# Altium PCB PCB.PcbDoc (part 2 of 3)
Units mm, origin at the board's own origin, x right, y up, seen from the top; angles counter-clockwise.
Board outline 85 x 56 mm, 4 copper layers (L01_SIG/PWR, L02_GND, L03_SIG, L04_SIG/PWR), stack 1.586 mm thick; 279 components, 197 nets, 982 pads, 787 vias.
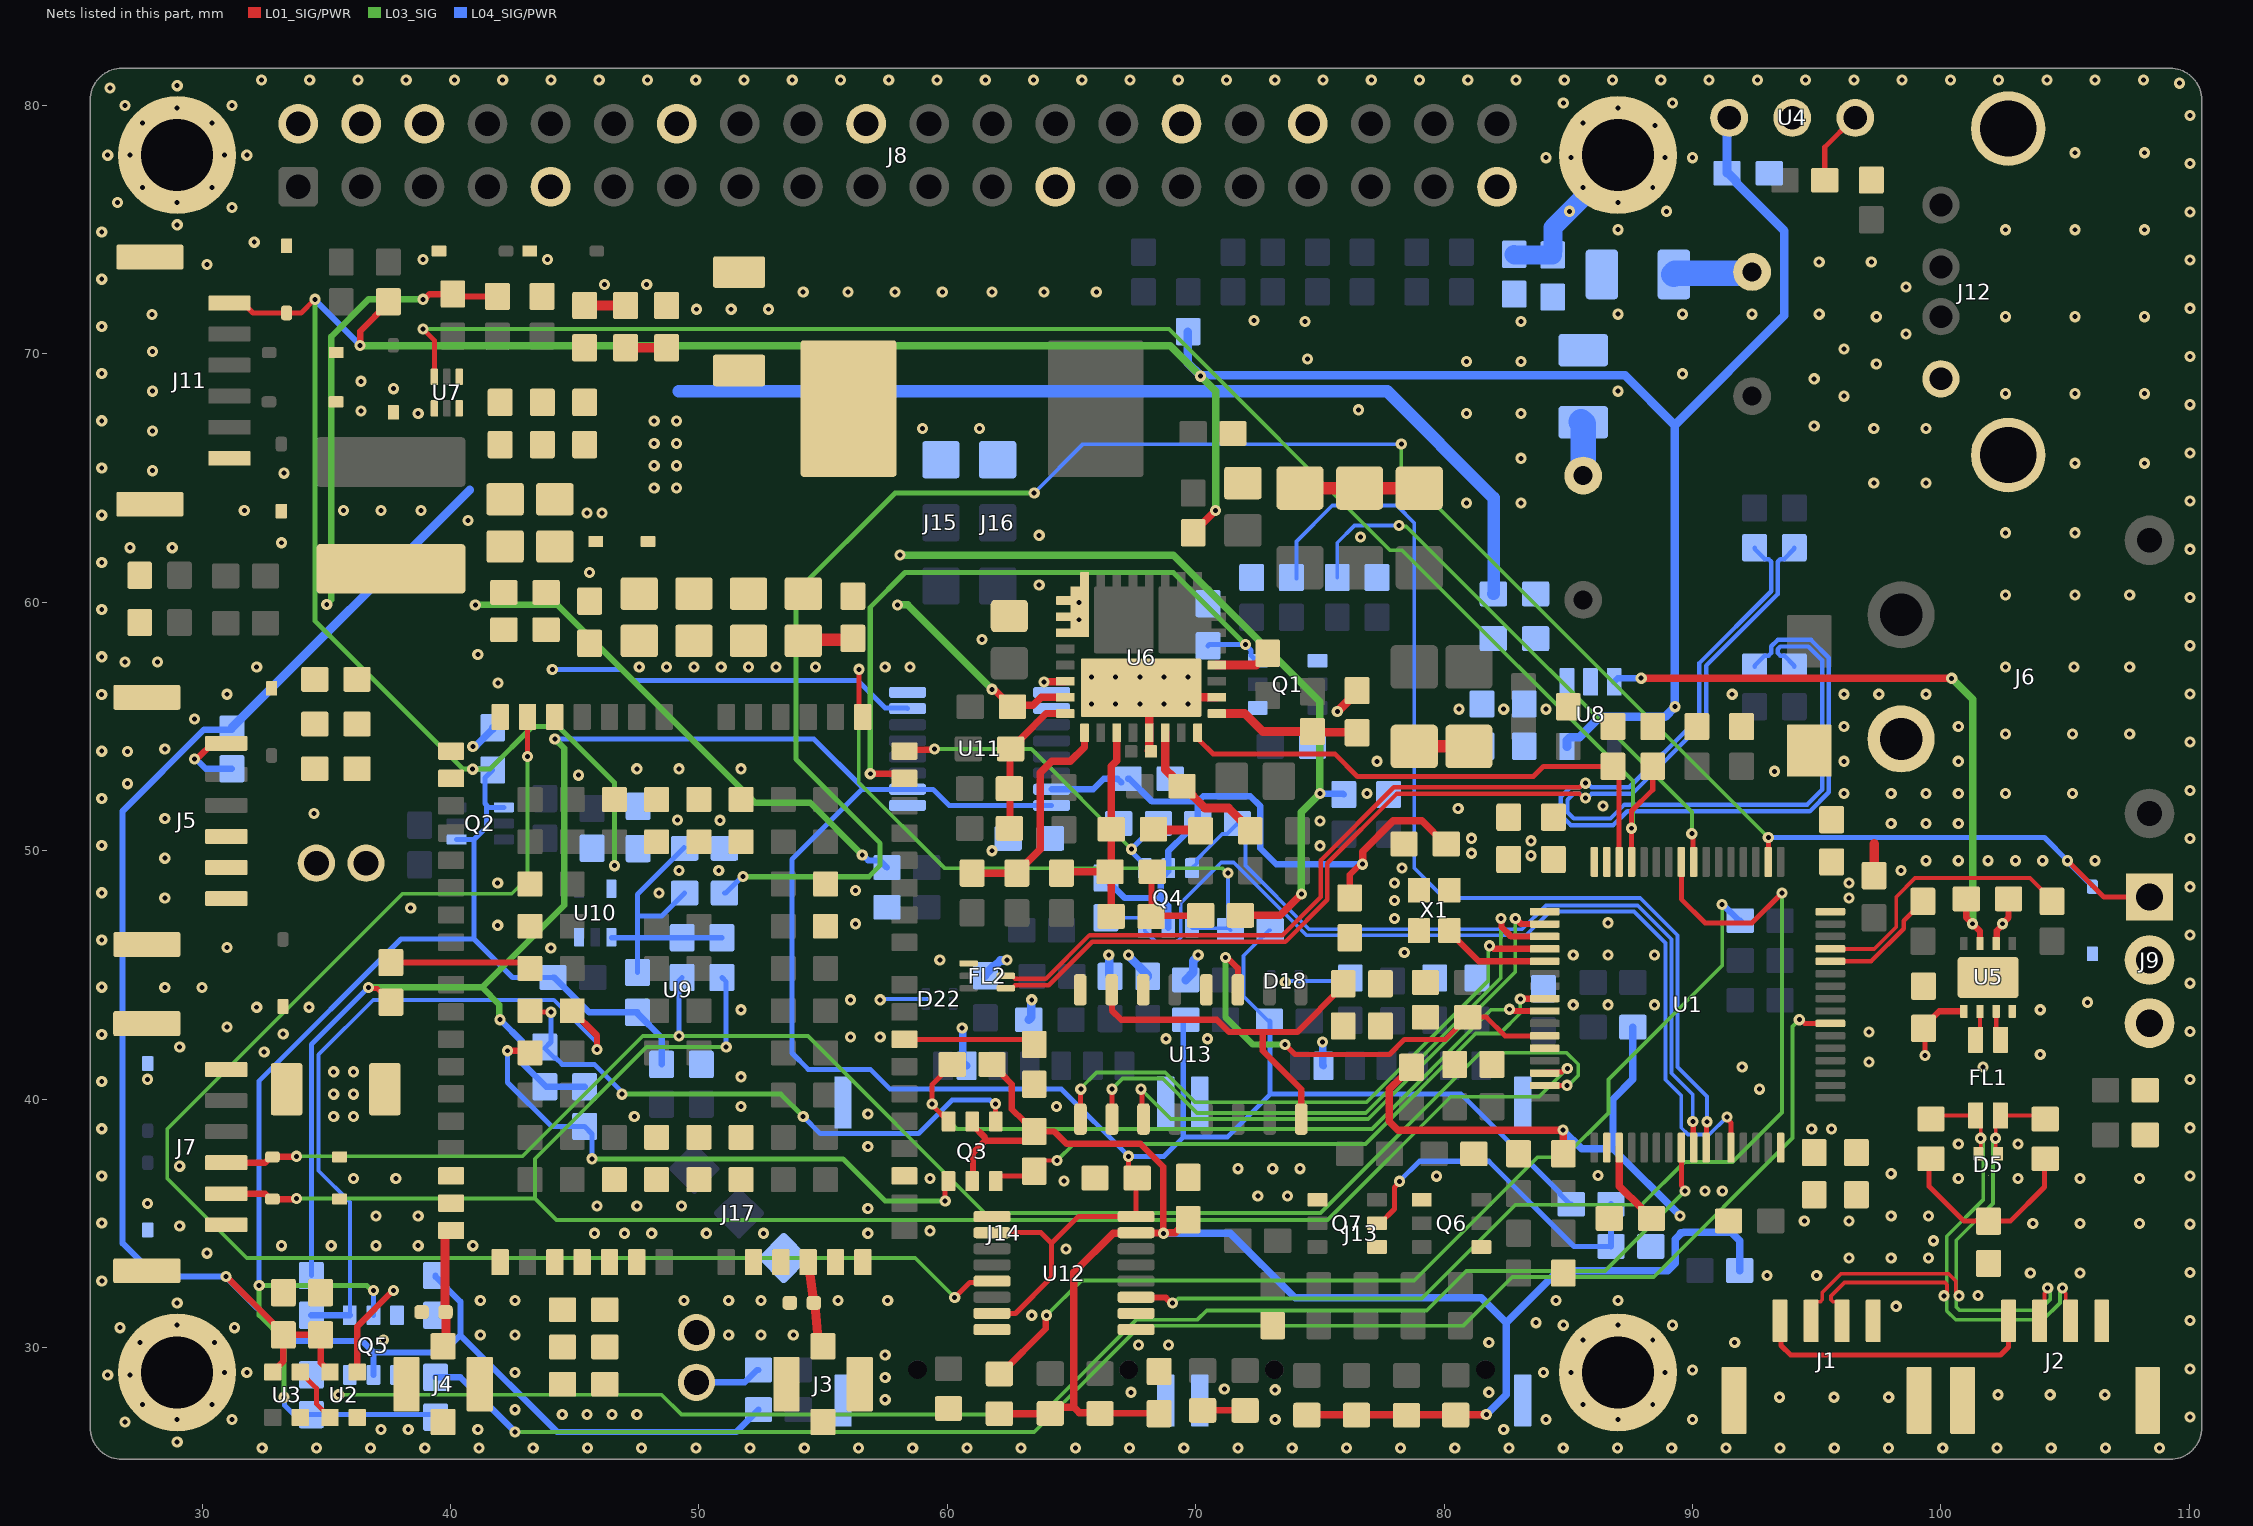
[diagram p4: the nets of this part, all layers, seen from the top]

## Part data
C1 C2: library part CMP-00018-8, "CAP CER 0.1uF 50V X7R 0603", Capacitance=100nF, Dielectric=X7R, Package=0603, Voltage=50V
C3 C4: library part CMP-001-00078-1, "CAP CER 2.2UF 25V X5R 0603", Capacitor Type=Ceramic, Case/Package=0603, Max Operating Temperature=85°C, Min Operating Temperature=-55°C, Package Shape=Rectangular, Package Style=SMTMeter, Rated DC Voltage (URdc)=25V, Temperature Characteristics Code=X5R, Tolerance  (fill in as +-)=10%, Dielectric Material=Ceramic, Height=0.8mm, JESD-609 Code=e3, Length=1.6mm, Mounting Technology="Surface Mount", Multilayer=Yes, Packaging="Tape and Reel", Pins=2, Reach SVHC Compliant=Yes, RoHS Compliant=Yes, Terminal Finish=Nickel, Termination=Wraparound, Tolerance (fill in as +-)=10%, Width=0.8mm
C5 C6 C8 C10 C12 C29 C47 C60 C64 C68 C70 C74 C79 C80 C81 C82 C83 C84 C86: library part CMP-001-00017-6, "CAP CER 0.1UF 16V X7R 0603", Capacitance=0.1uF, Package=0603, Temperature Coefficient=X7R, Voltage=16V
C7 C38 C42 C66 C67: library part CMP-00217-1, "CAP CER 10nF 25V X7R 0603", Capacitance=10nF, Package=0603, Temperature Coefficient=X7R, Voltage Rating=25V
C9 C11 C13 C30 C45 C46 C69 C85: library part CMP-001-00007-7, "CAP CER 1uF 16V X7R 0603", Capacitance=1uF, Package=0603, Temperature Coefficient=X7R, Voltage=16V
C14 C35 C48 C53: library part CMP-00049-2, "CAP CER 4.7uF 16V X7S 0603", Capacitance=4.7uF, Dielectric=X7S, Package=0603, Voltage=16V
C15 C16 C18 C78: library part CMP-001-00003-9, "CAP CER 100nF 16V X7R 0603", Capacitance=100nF, Package=0603, Temperature Coefficient=X7R, Voltage=16V
C17: library part CMP-00057-2, "CAP CER 0.1UF 25V X7R 0603", Capacitance=100nF, Case/Package=0603, Dielectric=X7R, Tolerance=10%, Voltage Rating=25V
C19: library part CMP-001-00080-1, "CAP CER 4700PF 50V X7R 0603", Capacitor Type=Ceramic, Case/Package=0603, Max Operating Temperature=125°C, Min Operating Temperature=-55°C, Package Shape=Rectangular, Package Style=SMTMeter, Rated DC Voltage (URdc)=50V, Temperature Characteristics Code=X7R, Tolerance  (fill in as +-)=10%, Dielectric Material=Ceramic, Height=0.9mm, JESD-609 Code=e3, Length=1.6mm, Mounting Technology="Surface Mount", Multilayer=Yes, Packaging="Tape and Reel", Pins=2, Reach SVHC Compliant=Yes, Reference Standard=AEC-Q200, RoHS Compliant=Yes, Terminal Finish=Nickel, Termination=Wraparound, Tolerance (fill in as +-)=10%, Width=0.8mm
C20 C21 C22 C23 C24: library part CMP-015-000000-6, "CAP CER 2.2UF 100V X7R 1206", Capacitance=2.2uF, Package=1206, Temperature Coefficient=X7R, Voltage=100V
C25 C26: library part CMP-00350-5, "CAP ALUM 100UF 20% 80V RADIAL TH", Capacitance=100uF, Package="Through Hole", Voltage=80V
C27 C36: library part CMP-00124-3, "CAP CER 1UF 100V X7S 0805", Package=0805, Temperature Coefficient=X7S, Tolerance=10%, Voltage=100V
C28 C37: library part CMP-00249-4, "CAP CER 0.1UF 100V X7R 0603", Package=0603, Temperature Coefficient=X7R, Voltage=100V
C31 C32 C33 C34: library part CMP-00241-5, "CAP CER 10UF 25V X7R 0805", Capacitance=10uF, Temperature Coefficient=X7R, Tolerance=10%, Voltage Rating=25V
C39: library part CMP-001-00022-4, "DNP 0603 Capacitor"
C40: library part CMP-001-00035-3, "CAP CER 4.7UF 50V X5R 0805", Manufacturer 1="Murata Electronics", Package=0805, Supplier Part Number 1=490-14663-1-ND, Temperature Coefficient=X5R, Tolerance=20%, Voltage Rating=50V, Manufacturer Part Number 1=GRM21BR61H475ME51L, Mounting Type="Surface Mount", Supplier 1=Digi-Key
C41 C44: library part CMP-00333-1, "CAP CER 2.2UF 16V X7R 0603", Capacitor=2.2uF, Package=0603, Temperature Coefficien=X7R, Voltage=16V
C43: library part CMP-00349-2, "CAP CER 0.22UF 16V X7R 0603", Capacitance=0.22uF, Package=0603, Temperature Coefficent=X7R, Voltage=16V
C49: library part CMP-00246-3, "CAP CER 22PF 50V C0G/NPO 0603", Package=0603, Temperature Coefficient=C0G,NP0, Tolerance=5%, Voltage=50V
C50 C51: library part CMP-001-00016-5, "CAP CER 10UF 16V X5R 0805", Capacitance=10uF, Package=0805, Temperature Coefficient=X5R, Voltage=16V
C52: library part CMP-001-00002-10, "CAP CER 4.7uF 25V X6S 0603", Capacitance=4.7uF, Dielectric=X6S, Package=0603, Voltage=25V
C54 C55 C56: library part CMP-00240-2, "CAP CER 1UF 25V X7R 0603", Capacitance=1uF, Temperature Coefficient=X7R, Tolerance=10%, Voltage Rating=25V, Mounting Technology="Surface Mount"
C57: library part CMP-00367-1, "CAP CER 1000PF 100V C0G/NP0 0603", Capacitor Type=Ceramic, Case/Package=0603, Max Operating Temperature=125°C, Min Operating Temperature=-55°C, Rated DC Voltage (URdc)=100V, Temperature Characteristics Code=C0G
C58 C62: library part CMP-00359-2, "CAP CER 10PF 100V C0G/NP0 0603", Capacitance=10pF, Package=0603, Temperature Coefficient=C0G, Voltage=100V
C59 C63 C71 C72 C73 C75 C76 C77: library part CMP-00358-2, "CAP CER 33PF 50V C0G/NP0 0603", Capacitance=33pF, Package=0603, Temperature Coefficient=C0G, Voltage=50V
C61 C65: library part CMP-00374-4, "CAP ALUM 100UF 20% 10V RADIAL TH", Capacitance=100uF, Dielectric Material=Aluminium, Max Operating Temperature=105°C, Voltage=10V, Mounting Technology=TH, Polarity=Polarized
D1 D19: library part CMP-001-00018-6, "LED GREEN 2V 0603", Case/Package=0603, Color=Green, Forward Current=20mA, Forward Voltage=2V
D2 D20 D30: library part CMP-00017-4, "LED BLUE CLEAR 0603 SMD", Color=Blue, Forward Current=20mA, Forward Voltage=2.8V, Package=0603, Wavelength=473nm
D3 D21 D31: library part CMP-004-00004-5, "LED RED 2V 0603", Case/Package=0603, Color=Red, Forward Current=30mA, Forward Voltage=2V, Luminous Intensity=54mcd, Mount="Surface Mount"
D4 D6 D7 D8 D9 D10 D14 D23 D24 D25 D26 D27 D28 D29: library part CMP-00145-5, "TVS DIODE, 5V V(RWM), Bidirectional, 1 Element, Silicon", Max Breakdown Voltage=9.5V, Max Operating Temperature=150°C, Max Power Dissipation=250mW, Min Breakdown Voltage=5.5V, Min Operating Temperature=-65°C, Rep Pk Reverse Voltage-Max=5V, Diode Type="TRANS VOLTAGE SUPPRESSOR", Polarity=Bidirectional
D5: library part CMP-00239-5, "TVS DIODE 24VWM 43VC DFN1412D-3"
D11: library part CMP-00351-2, "TVS DIODE 54VWM 87.1VC DO214AC", Max Breakdown Voltage=66.3V, Max Power Dissipation=400W, Min Breakdown Voltage=60V, Rep Pk Reverse Voltage-Max=54V, Polarity=Bidirectional
D12: library part CMP-00397-2, "TVS DIODE 6VWM 10.3VC SMB", VRWM=6V
D13: library part CMP-00395-4, "DIODE SCHOTTKY 10V 3A SOD323", Forward Voltage=320mV, Max Output current=3A, Max Reverse Voltage=10V
D15: library part CMP-00373-4, "TVS DIODE 5VWM 9.2VC SMB", Breakdown Voltage-Nom=6.825V, Max Breakdown Voltage=7V, Max Power Dissipation=5W, Min Breakdown Voltage=6.4V, Rep Pk Reverse Voltage-Max=5V, Diode Type=TVS, Polarity=Bidirectional
D16 D17: library part CMP-00406-1, "TVS DIODE 40VC 0402", Junction Capacitance="0.04pF @ 250MHz", Voltage Clamping=40V, Channels=1, Polarity=Bidirectional
D18 D22: library part CMP-00472-1, "TVS DIODE 5VWM 19.5VC 6X2SON", Breakdown Voltage=7V, Clamp Voltage="13V @ 6A", Max Capacitance=12pF, Max Standoff Voltage=5V, Channels=5
D32 D33 D34 D35: library part CMP-00345-2, "LED WHITE 2.8V 0603", Color=White, Forward Voltage=2.8V, Max Current=5mA, Package=0603
F1: library part CMP-00473-2, "FUSE BOARD MNT 500MA 32VDC 0603", Current Rating=500mA, Package=0603, Response Time="Fast Blow", VDC=32V
FL1: library part CMP-00243-2, "CMC 50UH 115MA 2LN 2.3KOHM SMD"
FL2: library part CMP-00412-4, "CMC 2LN SMD ESD AEC-Q100", Clamping Voltage=17V, DC Channel Resistance="1.8 Ohms", Junction Capacitance=1.0pF, Differential Mode Attenuation="~ -0.5@240Mhz"
J1 J2: library part CMP-068-000000-6, "Conn Shrouded Header HDR 4 POS 1.25mm Solder RA SMD Reel", Entry Type=R/A, Pins=4, Series=JST-GH
J3 J4: library part CMP-00321-7, "CONN UMC JACK STR SMD", Max Frequency=6GHz, Voltage Rating=60V, Impedance=50Ω, Mounting Type="Surface Mount"
J5 J7 J11: library part CMP-00248-4, "CONN HEADER SMD R/A 6POS 1.25MM", Current Rating=1A, Voltage=50V, Entry Type=R/A, Pitch=1.25mm, Positions=6, Rows=1, Series=JST-GH
J6: library part CMP-00134-4, "Board Mount XT30PW-M 2 Pin Male Connector"
J8: library part CMP-00254-4, "CONN HDR 40POS 2.54mm VERT", Mount="Through Hole", Pins=40, Pitch=2.54mm, Rows=2, Type=Vertical
J9: library part CMP-00111-5, "CONN HEADER VERT 3POS 2.54MM", Connector Type="Male Pin", Mount="Through Hole", Pitch=100mil, Positions=3
J12: library part CMP-00061-7, "Usb Conn, 2.0 Type A, R/a Rcpt, 4Pos"
J13 J14: library part CMP-00378-5, "NANO SIM PUSH-PUSH 6P 1.44MM H G"
J15 J16 J17: library part CMP-00292-3, "Solder Pad 3 Pin, 2.54mm pitch", Mount=SMD, Pins=3, Pitch=2.54mm, Type="Solder Pads"
L1: library part CMP-00348-5, "FIXED IND 2.2uH 12.5A 4.02 mOHM", Current Rating=12.5A, DC Resistance (DCR)=4.02mR, Inductance=2.2uH, Tolerance=20%
L2: library part CMP-00394-3, "FIXED IND 1UH 4.2A 13.9 MOHM SMD", Case/Size Code=2424, DC Resistance (DCR)=13.9mR, Inductance-Nom (L)=1uH, Max Current Rating=4.2A, Max Operating Temperature=125°C, Min Operating Temperature=-40°C, Test Frequency=100kHz, Tolerance=30%
MH1 MH2 MH3 MH4: library part CMP-00308-1, "M2.5 Clearance Hole Normal Fit", Diameter Drill=2.9mm
NT1: library part CMP-001-0020-3, "Connect two different schematic nets at a single point on the PCBA. Intended to be used as a \"Generic No BOM\" component for ICs that desire seperated grounds connected at a single point."
Q1 Q3 Q4 Q5 Q6 Q7: library part CMP-00377-5, "MOSFET 2N-CH 20V 0.54A SOT26", Drain Current-Max (Abs) (ID)=540mA, Drain-source On Resistance-Max=550mR, DS Breakdown Voltage-Min=20V, Max Operating Temperature=150°C, Feedback Cap-Max (Crss)=20pF
Q2: library part CMP-00313-6, "MOSFET 2P-CH 30V 0.1A US6", Channels=2, Ids Max=100mA, Vds Max=30V
R1 R106: library part CMP-00341-1, "RES 4.7 OHM 1% 1/10W 0603", Power=100mW, Resistance=4.7, Tolerance=1%, Size=0603
R2 R3 R4: library part CMP-00370-2, "RES 470 OHM 1% 1/10W 0603", Package=0603, Power=1/10W, Resistance=470Ω, Tolerance=1%
R5 R18 R19 R20 R21 R22 R23 R24 R30 R43 R44 R45 R46 R62 R66 R67 R68 R69: library part CMP-00139-2, "RES 0 OHM JUMPER 1/10W 0603"
R6 R9 R12 R17 R34 R36 R41 R47 R51 R52 R55 R56 R61 R63 R64 R65 R74 R75 R76 R77 R88 R89 R90 R91 R92 R93 R94 R95 R113 R114 R115 R116 R117 R127 R128 R133 R134: library part CMP-009-00054-3, "RES 10K OHM 1% 1/10W 0603", Package=0603, Power=100mW, Resistance=10k, Tolerance=1%
R7 R10 R13 R14 R49 R50 R60 R70 R71 R126 R131 R132: library part CMP-009-00084-2, "RES 10 OHM 1% 1/10W 0603", Package=0603, Power=1/10W, Resistance=10, Tolerance=1%
R8 R48: library part CMP-00344-1, "RES 4.7K OHM 1% 1/10W 0603", Package=0603, Power=1/10W, Resistance=4.7k, Tolerance=1%
R11 R120: library part CMP-009-00018-3, "DNP 0603 Resistor"
R15 R16: library part CMP-00245-1, "RES 60.4 OHM 1% 1/10W 0603", Power=100mW, Tolerance=1%
R25 R35: library part CMP-00122-1, "RES 2.2 OHM 1% 1/10W 0603", Case/Package=0603, Power Rating=100mW, Tolerance=1%, Voltage Rating=50V
R26 R27: library part CMP-00316-1, "RES 0 OHM JUMPER 1/4W 1206", Package=1206, Power=1/4W, Resistance=0, Tolerance=?
R28: library part CMP-00276-1, "RES 2K OHM 1% 1/10W 0603", Case/Package=0603, Power=100mW, Temperature Coefficient=100ppm/°C, Tolerance=1%
R29 R31: library part CMP-00030-2, "RES 12K OHM 1% 1/10W 0603", Package=0603, Power=100mW, Resistance=12k, Tolerance=1%
R32: library part CMP-00401-1, "RES 1.6K OHM 1% 1/10W 0603", Package=0603, Power=100mW, Resistance=1.6k, Tolerance=1%
R33: library part CMP-00402-1, "RES 120K OHM 1% 1/10W 0603", Package=0603, Power=100mW, Resistance=120k, Tolerance=1%
R37: library part CMP-00403-1, "RES 22K OHM 1% 1/10W 0603", Package=0603, Power=100mW, Resistance=22k, Tolerance=1%
R38 R39 R112 R118: library part CMP-009-00055-3, "RES 100K OHM 1% 1/10W 0603", Rated Power Dissipation (P)=1/10W, Resistance=100k, Tolerance=1%
R40: library part CMP-009-00048-1, "RES 18K OHM 1% 1/10W 0603", Package=0603, Power Rating=1/10W, Tolerance=1%, Voltage Rating=75V
R42: library part CMP-00366-1, "RES 1M OHM 1% 1/10W 0603", Case/Package=0603, Power=100mW, Rated Temperature=70°C, Tolerance=1%, Working Voltage=75V
R53: library part CMP-00372-1, "RES 51K OHM 1% 1/10W 0603", Package=0603, Power=1/10W, Resistance=51k, Tolerance=1%
R54: library part CMP-00267-1, "RES 15K OHM 1% 1/10W 0603", Case/Package=0603, Power=100mW, Temperature Coefficient=100ppm/°C, Tolerance=1%
R58 R59 R123 R124 R125 R129 R130: library part CMP-009-00072-2, "RES 1.5K OHM 1% 1/10W 0603", Package=0603, Power=1/10W, Resistance=1.5k, Tolerance=1%
R72 R73: library part CMP-00317-1, "RES 220 OHM 1% 1/10W 0603", Package=0603, Power=1/10W, Resistance=220, Tolerance=1%
R107 R108 R109: library part CMP-00262-2, "THERMISTOR NTC 10KOHM 3380K 0603", Case/Package=0603, Max Operating Temperature=125°C, Min Operating Temperature=-40°C, Resistor Type="NTC THERMISTOR", Tolerance=1%
R110 R111: library part CMP-00339-1, "RES 220K OHM 1% 1/10W 0603", Package=0603, Power=100mW, Resistance=220K, Tolerance=1%
R119: library part CMP-00340-2, "RES 82K OHM 1% 1/10W 0603", Package=0603, Power=100mW, Resistance=82K, Tolerance=1%
U1: library part CMP-00322-8, "IC MCU 32BIT 1MB FLASH 64LQFP", Package=LQFP64, Dimensions=10mmx10mm
U2 U3: library part CMP-00294-4, "LED Neopixel 2mm from LCSC", Max Input Voltage="5.3 V Max"
U4: library part CMP-00335-1, "SENSOR REMOTE REC 38.0KHZ 2M"
U5: library part CMP-00219-3, "IC TRANSCEIVER HALF 1/1 8HVSON"
U6: library part CMP-00332-6, "IC REG BUCK ADJ 8A 70V 32VQFN", Absolute Maximum Input Voltage=71V, Dimensions=6mmx6mm
U7: library part CMP-00336-3, "IC REG BUCK ADJ 3A SOT5X3", Frequency=1.5MHz, Max Input Voltage=5.5V, Max Output current="3 A"
U8: library part CMP-00225-6, "IC REG LINEAR 3.3V 500MA SOT23-5", Current=500mA, Output Voltage="3.3 V"
U9: library part CMP-00471-3, "RF TXRX MODULE LTE", Supply Voltage="3.3V ~ 4.3V", Interfaces="ADC, GPIO, I2C, PCM, SPI, UART, USB", Protocol="LTE Cat 1"
U10: library part CMP-00315-2, "IC BUFF NON-INVERT 5.5V 5TSSOP"
U11 U12: library part CMP-00375-4, "IC TRANSLATOR BIDIR 16TSSOP", RoHS Compliant=Yes
U13: library part CMP-00407-3, "IC MUX 8:1 120OHM 16SO", Supply Voltage="2V ~ 10V", Multiplexer=8:1
X1: library part CMP-00242-3, "OSC XO 8.000MHZ CMOS SMD", Frequence Stability=25ppm, Frequency=8MHz

## Via types
v1: diameter 0.45, hole 0.2, L01_SIG/PWR to L04_SIG/PWR, tented both sides, 787 vias

## Nets (pads, with @x,y where several pads share a name; then routed paths per layer and width w, separated by ;. In a path a pad name is that pad's centre, name@x,y a point inside that pad or via, vN(x,y) a via of type N, cw(c..) or ccw(c..) an arc to the next point about the centre after c; other vN are vias at no path point)
1V8_PWR_LED: Q7.5 R132.1 R134.2 | length 14.1
  L01_SIG/PWR w0.203: Q7.5@77.3,35 77.425,35 78,35.575 78,36.45 78.2,36.65 v1(78.2,36.692)
  L04_SIG/PWR w0.203: v1(78.2,36.692) 79.008,37.5 81.8,37.5 85.229,34.071 R134.2@86.719,34.071
  L04_SIG/PWR w0.254: R134.2@86.719,34.071 R132.1@86.719,35.771
5V_FUSED: F1.2 J5.1 | length 3.2
  L01_SIG/PWR w0.254: v1(29.7,53.7) 29.738,53.738 29.837,53.738 30.425,54.325 J5.1@30.975,54.325
  L04_SIG/PWR w0.254: v1(29.7,53.7) 29.753,53.7 30.153,53.3 F1.2@31.2,53.3
+1V8: C68.2 C69.2 C80.2 C82.2 R48.2 R53.2 R74.2 R77.2 R88.2 R91.2 R92.2 R113.2 R132.2 U9.29 U11.2 U11.7 U11.16 U12.2 U12.7 U12.16 | length 146
  L01_SIG/PWR w0.203: v1(36.7,44.5) 36.739,44.461 37.039,44.461 37.152,44.348 37.202,44.348 37.6,43.95 R48.2@37.6,43.9 ; U12.7@61.8,31.375 62.745,31.375 64.2,32.83 64.2,34.2 ; U12.2@61.8,34.625 63.775,34.625 64.2,34.2 ; v1(67.3,37.7) 67.3,37.17 C82.2@67.645,36.825 67.6,36.78 U12.16@67.6,35.275 65.275,35.275 64.2,34.2
  L03_SIG w0.254: v1(36.7,44.5) 41.275,44.5 ; v1(42,43.2) 41.969,43.231 41.969,43.806 41.275,44.5 ; v1(44.2,54.5) 44.577,54.123 44.577,47.802 41.275,44.5
  L04_SIG/PWR w0.152: R53.2@72.974,43.147 72.924,43.147 71.926,44.145 71.926,45.776 72.95,46.8 R88.2@73,46.8
  L04_SIG/PWR w0.203: R92.2@34.4,32.9 34.4,42.2 v1(36.7,44.5) ; v1(44.1,57.3) 46.9,57.3 47.352,56.848 56.403,56.848 57.496,55.755 58.37,55.755 U11.7@58.4,55.725 ; v1(44.2,54.5) 54.627,54.5 56.564,52.564 56.564,52.475 ; U11.16@64.2,51.825 60.075,51.825 59.425,52.475 U11.2@58.4,52.475 56.564,52.475 ; R113.2@69.6,43.2 69.5,43.1 69.5,38.472 ; R53.2@72.974,43.147 73,43.121 73,40.2 ; R132.2@85.119,35.771 85.069,35.771 84.671,36.169 84.671,36.219 80.69,40.2 73,40.2 ; 56.564,52.475 53.746,49.657 53.746,41.854 54.4,41.2 56.9,41.2 57.7,40.4 64.6,40.4 v1(67.3,37.7) 68.728,37.7 69.5,38.472 ; 69.5,38.472 71.272,38.472 73,40.2
  L04_SIG/PWR w0.254: v1(42,43.2) 42.9,42.3 42.9,41.45 43.85,40.5 R74.2@45.4,40.5
+3V3: C5.2 C6.2 C7.2 C10.2 C11.2 C12.2 C13.2 C14.2 C15.2 C18.2 C53.2 C56.2 C78.2 C79.2 C81.2 C83.2 D1.1 D2.1 D3.1 D14.2 D19.1 D20.1 D21.1 D35.1 J11.1 Q2.1 Q2.4 Q3.2 Q3.5 Q4.2 Q4.5 Q5.2 R1.2 R8.2 R11.2 R17.2 R36.2 R41.2 R61.2 R63.2 R64.2 R65.2 R75.2 R76.2 R89.2 R90.2 R93.2 R95.2 R106.2 R107.2 R108.2 R109.2 R125.2 U1.1 U1.19 U1.32 U1.48 U1.64 U4.3 U5.5 U8.5 U10.5 U11.15 U12.15 X1.1 X1.4 | length 324.2
  L01_SIG/PWR w0.203: J11.1@31.1,72.05 31.65,72.05 32.05,71.65 33.992,71.65 v1(34.542,72.2) ; C18.2@99.3,42.85 99.36,42.79 v1(99.36,41.753)
  L01_SIG/PWR w0.254: v1(36.363,70.337) 36.363,70.913 37.5,72.05 R8.2@37.5,72.1 ; Q3.2@61,36.7 61.036,36.736 61.036,37.836 61.52,38.32 ; Q3.5@61,39.1 61,38.975 61.52,38.455 61.52,38.32 ; R75.2@61.8,41.4 61.85,41.4 62.223,41.027 62.223,40.977 62.6,40.6 62.6,39.6 63.077,39.123 63.127,39.123 63.5,38.75 R76.2@63.5,38.7 ; D3.1@66.146,27.35 68.516,27.35 C6.2@68.528,27.337 ; v1(68.7,34.6) 68.7,37.276 67.776,38.2 64.8,38.2 64.3,38.7 R76.2@63.5,38.7 ; R106.2@76.2,48.4 76.2,49.031 76.59,49.421 76.679,49.421 v1(76.717,49.458) ; C10.2@88.35,35.2 C10.2@88.45,35.3 ; C18.2@99.3,42.85 99.3,42.9 99.938,43.538 U5.5@100.925,43.538 ; 61.52,38.32 63.127,38.32 63.5,38.693 R76.2@63.5,38.7
  L01_SIG/PWR w0.3: D1.1@62.096,27.338 64.134,27.338 D2.1@64.146,27.35 64.396,27.6 65.1,27.6 ; D3.1@66.118,27.378 65.322,27.378 65.1,27.6 ; C83.2@69.7,35.15 69.7,35.1 69.35,34.75 69.3,34.75 69.179,34.629 68.729,34.629 v1(68.7,34.6) 68.687,34.613 67.613,34.613 U12.15@67.6,34.625 67.58,34.605 66.675,34.605 65.1,33.03 65.1,27.6 ; R108.2@69.9,62.8 69.9,62.85 70.25,63.2 70.3,63.2 v1(70.8,63.7) ; D35.1@74.485,27.29 D21.1@76.465,27.29 ; D21.1@76.485,27.29 D20.1@78.473,27.29 ; v1(76.717,49.458) 76.717,49.963 77.954,51.2 79.11,51.2 80.037,50.273 C7.2@80.087,50.273 ; D20.1@78.487,27.29 81.69,27.29 v1(81.7,27.3) ; R1.2@78.685,41.281 78.685,41.231 78.335,40.881 78.285,40.881 77.8,40.396 77.8,39.1 78.146,38.754 v1(84.782,38.754) 84.791,38.745 84.791,37.809 R107.2@84.8,37.8 ; U1.19@87.05,38.05 87.05,36.5 87.95,35.6 87.95,35.55 88.3,35.2 C10.2@88.35,35.2
  L03_SIG w0.203: v1(33.3,28) 33.3,30.3 32.3,31.3 v1(32.3,32.5) 36.633,32.5 36.833,32.3 v1(36.9,32.3) ; v1(34.542,72.2) 34.542,59.258 40.518,53.282 41.582,53.282 43.3,55 44.339,55 46.6,52.739 v1(46.6,49.4)
  L03_SIG w0.3: v1(36.363,70.337) 36.373,70.327 68.977,70.327 70.8,68.504 v1(70.8,63.7)
  L04_SIG/PWR w0.203: v1(32.3,32.5) 32.3,40.739 38.011,46.45 40.95,46.45 ; v1(33.3,28) 33.321,27.979 33.321,27.679 33.7,27.3 R93.2@34.4,27.3 39.3,27.3 R95.2@39.4,27.2 ; Q5.2@36.9,31.3 v1(36.9,32.3) ; Q2.1@40.25,50.45 40.95,50.45 ; v1(40.894,53.282) 41.668,53.282 C79.2@41.668,53.232 ; 41.45,51.75 41.45,50.95 40.95,50.45 ; C79.2@41.7,53.25 41.386,52.936 41.386,51.906 41.541,51.75 Q2.4@42.15,51.75 ; R63.2@44.127,44.897 44.125,44.9 42.5,44.9 40.95,46.45 ; 40.95,46.45 40.95,50.45
  L04_SIG/PWR w0.254: v1(34.542,72.2) 34.542,72.179 36.363,70.358 v1(36.363,70.337) ; R63.2@44.127,44.897 44.177,44.897 45.577,43.497 R64.2@47.527,43.497 47.527,43.447 48.5,42.475 R109.2@48.5,41.4 ; U11.15@64.2,52.475 65.875,52.475 66.3,52.9 66.85,52.9 C81.2@66.999,52.751 ; R90.2@66.387,48.852 67.139,48.1 68.6,48.1 68.6,48.878 68.749,49.027 68.752,49.027 68.9,49.175 68.9,49.988 69.638,50.726 69.724,50.726 R89.2@70.083,51.085 ; C81.2@67.273,52.9 67.323,52.9 68.24,51.983 70.083,51.983 ; 68.6,48.089 68.9,47.789 Q4.2@68.9,46.9 ; R89.2@70.083,51.099 70.083,51.983 ; v1(76.717,49.458) 73.242,49.458 72.6,50.1 72.6,51.8 72.2,52.2 70.3,52.2 70.083,51.983
  L04_SIG/PWR w0.3: v1(68.7,34.6) 71.4,34.6 74,32 81.5,32 82.5,31 ; v1(81.7,27.3) 82.502,28.102 82.502,29.291 82.5,29.293 82.5,31 ; v1(84.782,38.754) 85.536,38 86.8,38 ; R61.2@87.6,42.9 87.6,40.8 86.8,40 86.8,38 ; v1(89.5,35.3) 86.8,38 ; R125.2@91.9,33.1 91.9,34.3 91.559,34.641 89.647,34.641 89.635,34.629 89.529,34.629 89.5,34.6 89.5,34.559 89.3,34.359 89.3,33.4 89,33.1 84.6,33.1 82.5,31
  L04_SIG/PWR w0.35: R17.2@69.685,70.885 69.685,69.639 v1@70.2,69.124 ; v1(70.2,69.104) 70.219,69.123 70.29,69.123 70.306,69.139 87.281,69.139 89.285,67.135 ; U8.5@84.95,54.2 84.95,54.45 85.075,54.575 85.448,54.575 86.273,55.4 88.9,55.4 v1(89.3,55.8) ; v1@89.285,55.815 89.285,67.135 ; U4.3@91.474,79.506 91.39,79.422 C15.2@91.39,77.273 91.44,77.273 91.765,76.948 91.765,76.898 93.7,74.963 93.7,71.55 89.285,67.135
  other v1: 94.8,38.8 95.6,38.8 96.3,48.1 96.3,48.7 83.5,49.8 81.1,49.9 83.5,50.4 81.1,50.5
+3V8: C49.2 C50.2 C51.2 C54.2 C58.2 C59.2 C60.2 C61.1 C62.2 C63.2 C64.2 C65.1 D13.1 D15.1 L2.2 R39.2 R112.2 R124.2 U9.32 U9.33 U9.52 U9.53 | length 42
  L01_SIG/PWR w0.254: v1(38.9,72.2) 38.953,72.2 39.153,72.4 39.722,72.4 39.95,72.628 C49.2@39.95,72.773 ; C49.2@40.095,72.415 40.194,72.315 R39.2@41.889,72.315
  L03_SIG w0.254: v1(35.019,59.919) 35.2,60.1 35.2,70.7 36.7,72.2 v1(38.9,72.2) ; v1(41,59.9) 44.3,59.9 52.273,51.927 54.479,51.927 v1(56.577,49.829)
  L04_SIG/PWR w0.254: C65.1@49.9,28.6 51.85,28.6 52.35,29.1 R124.2@52.4,29.1 ; v1(56.577,49.829) 56.604,49.829 56.823,49.61 57.286,49.61 R112.2@57.573,49.323
  other v1: 44.5,27.3 45.5,27.3 46.5,27.3 47.5,27.3 35.3,39.3 36.1,39.3 35.3,40.2 36.1,40.2 35.3,41.1 36.1,41.1
+5V1: C1.2 C2.2 C17.2 C29.2 C30.2 C31.2 C32.2 C33.2 C34.2 C35.2 C44.2 C45.2 C46.2 C47.2 C48.2 C52.2 C55.2 D12.2 D13.2 F1.1 J8.2 J8.4 L1.2 Q5.5 R30.2 R94.2 R111.2 R123.2 U2.4 U3.4 U5.3 U6.23 U7.3 U7.4 U8.1 U8.3 | length 184.1
  L01_SIG/PWR w0.254: v1(30.959,32.86) 30.973,32.86 32.9,30.933 33.273,30.56 C1.2@33.273,30.51 33.273,29.438 U3.4@32.85,29.015 ; C1.2@33.323,30.51 C2.2@34.773,30.51 34.773,29.392 U2.4@35.15,29.015 ; C17.2@101.025,48.062 101.025,47.312 v1(101.275,47.062) 101.575,46.762 U5.3@101.575,46.262